# Altium PCB phunnuoc - Copy.PcbDoc
Units mil, origin at the board's own origin, x right, y up, seen from the top; angles counter-clockwise.
Board outline 4220 x 4055 mil, 2 copper layers (Top Layer, Bottom Layer); 33 components, 29 nets, 122 pads, 0 vias.
Unrouted connection lines stored in the file: 3.
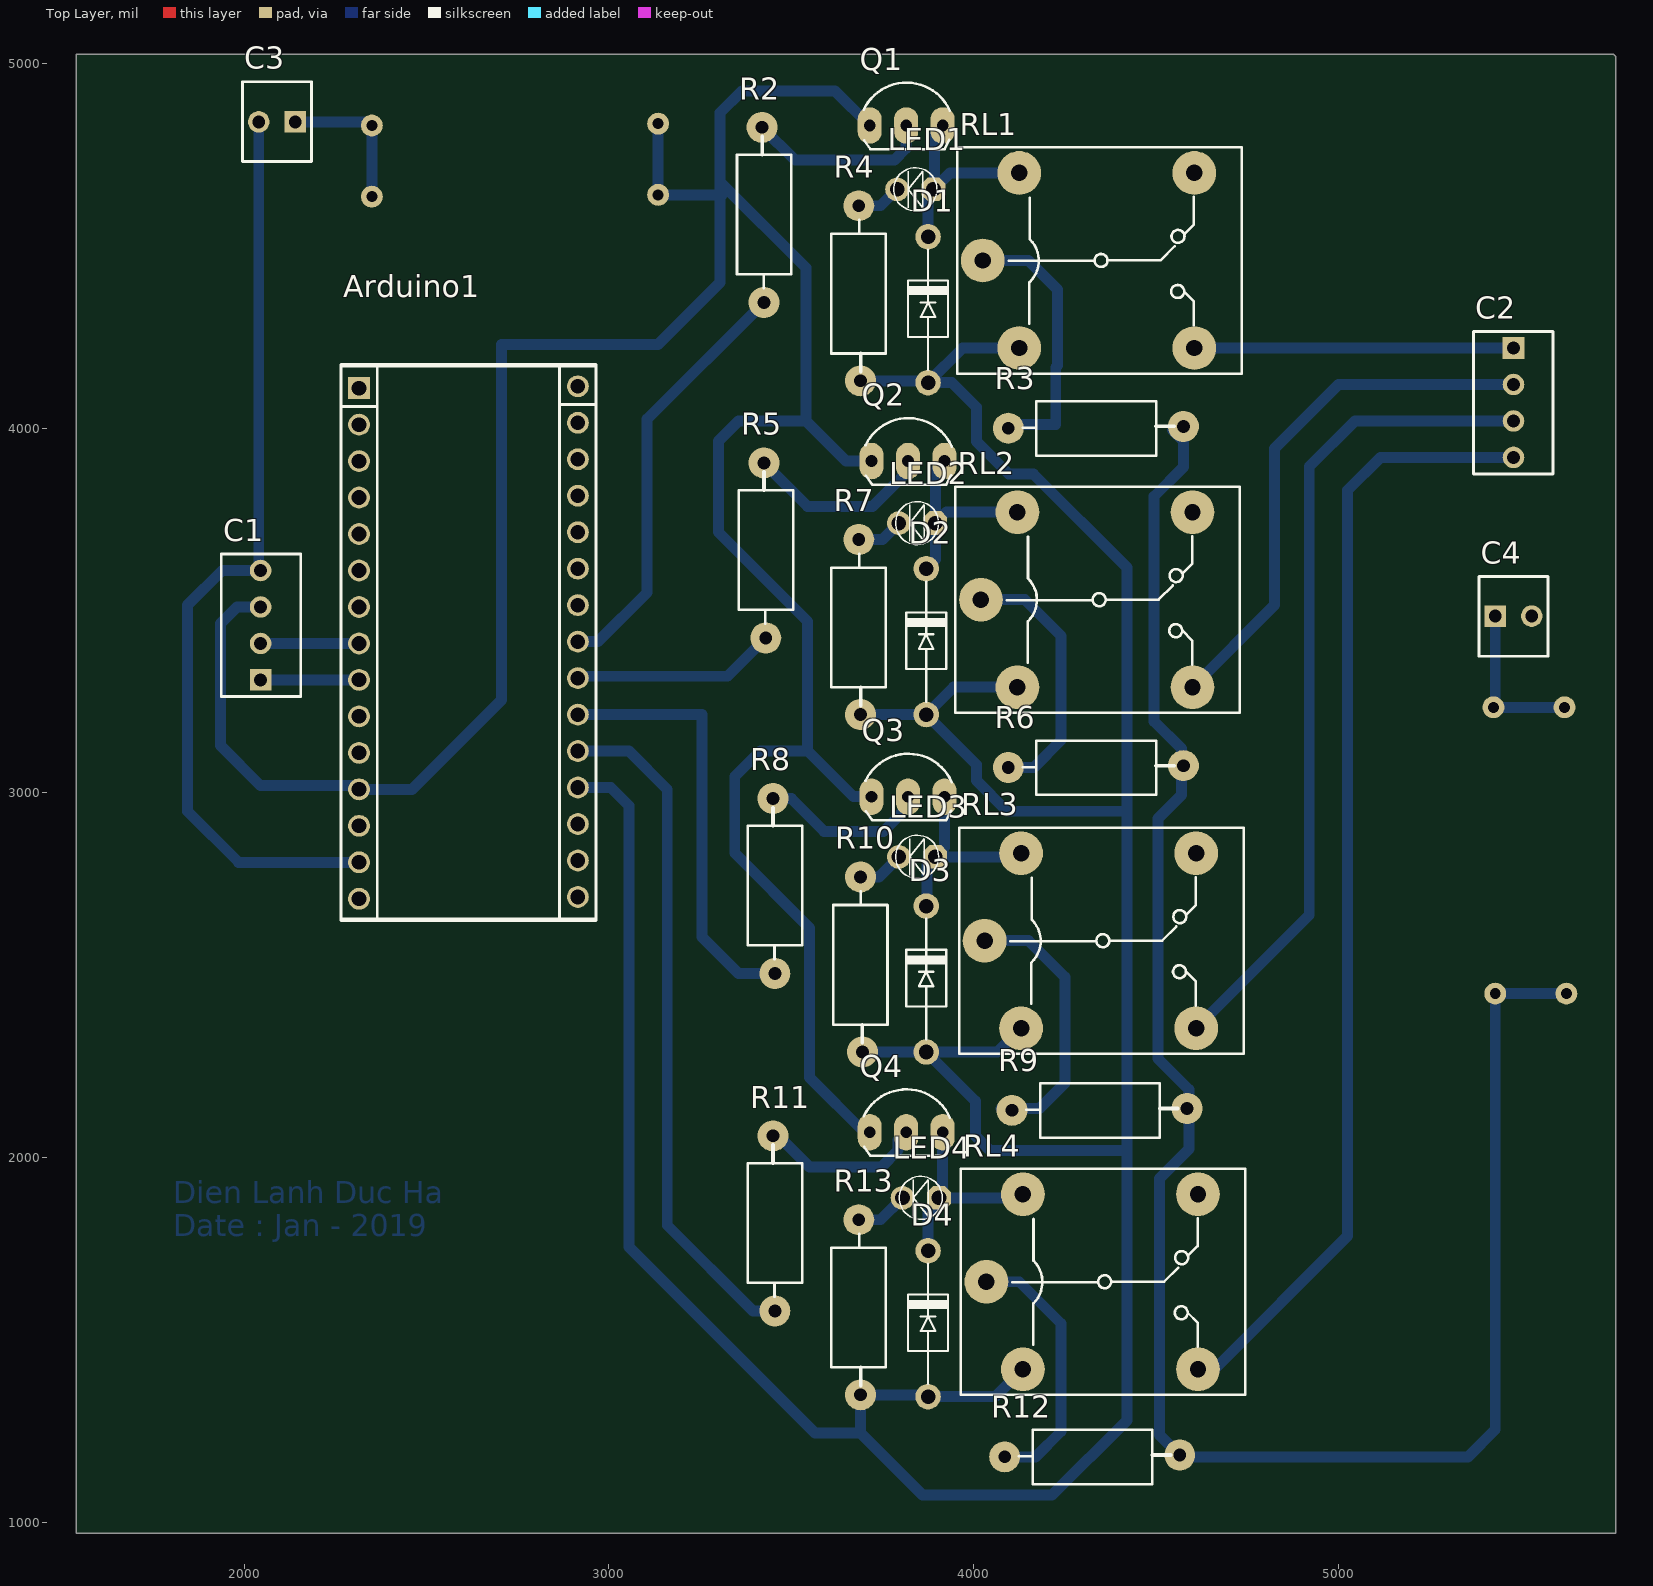
[diagram p0: Top Layer view]
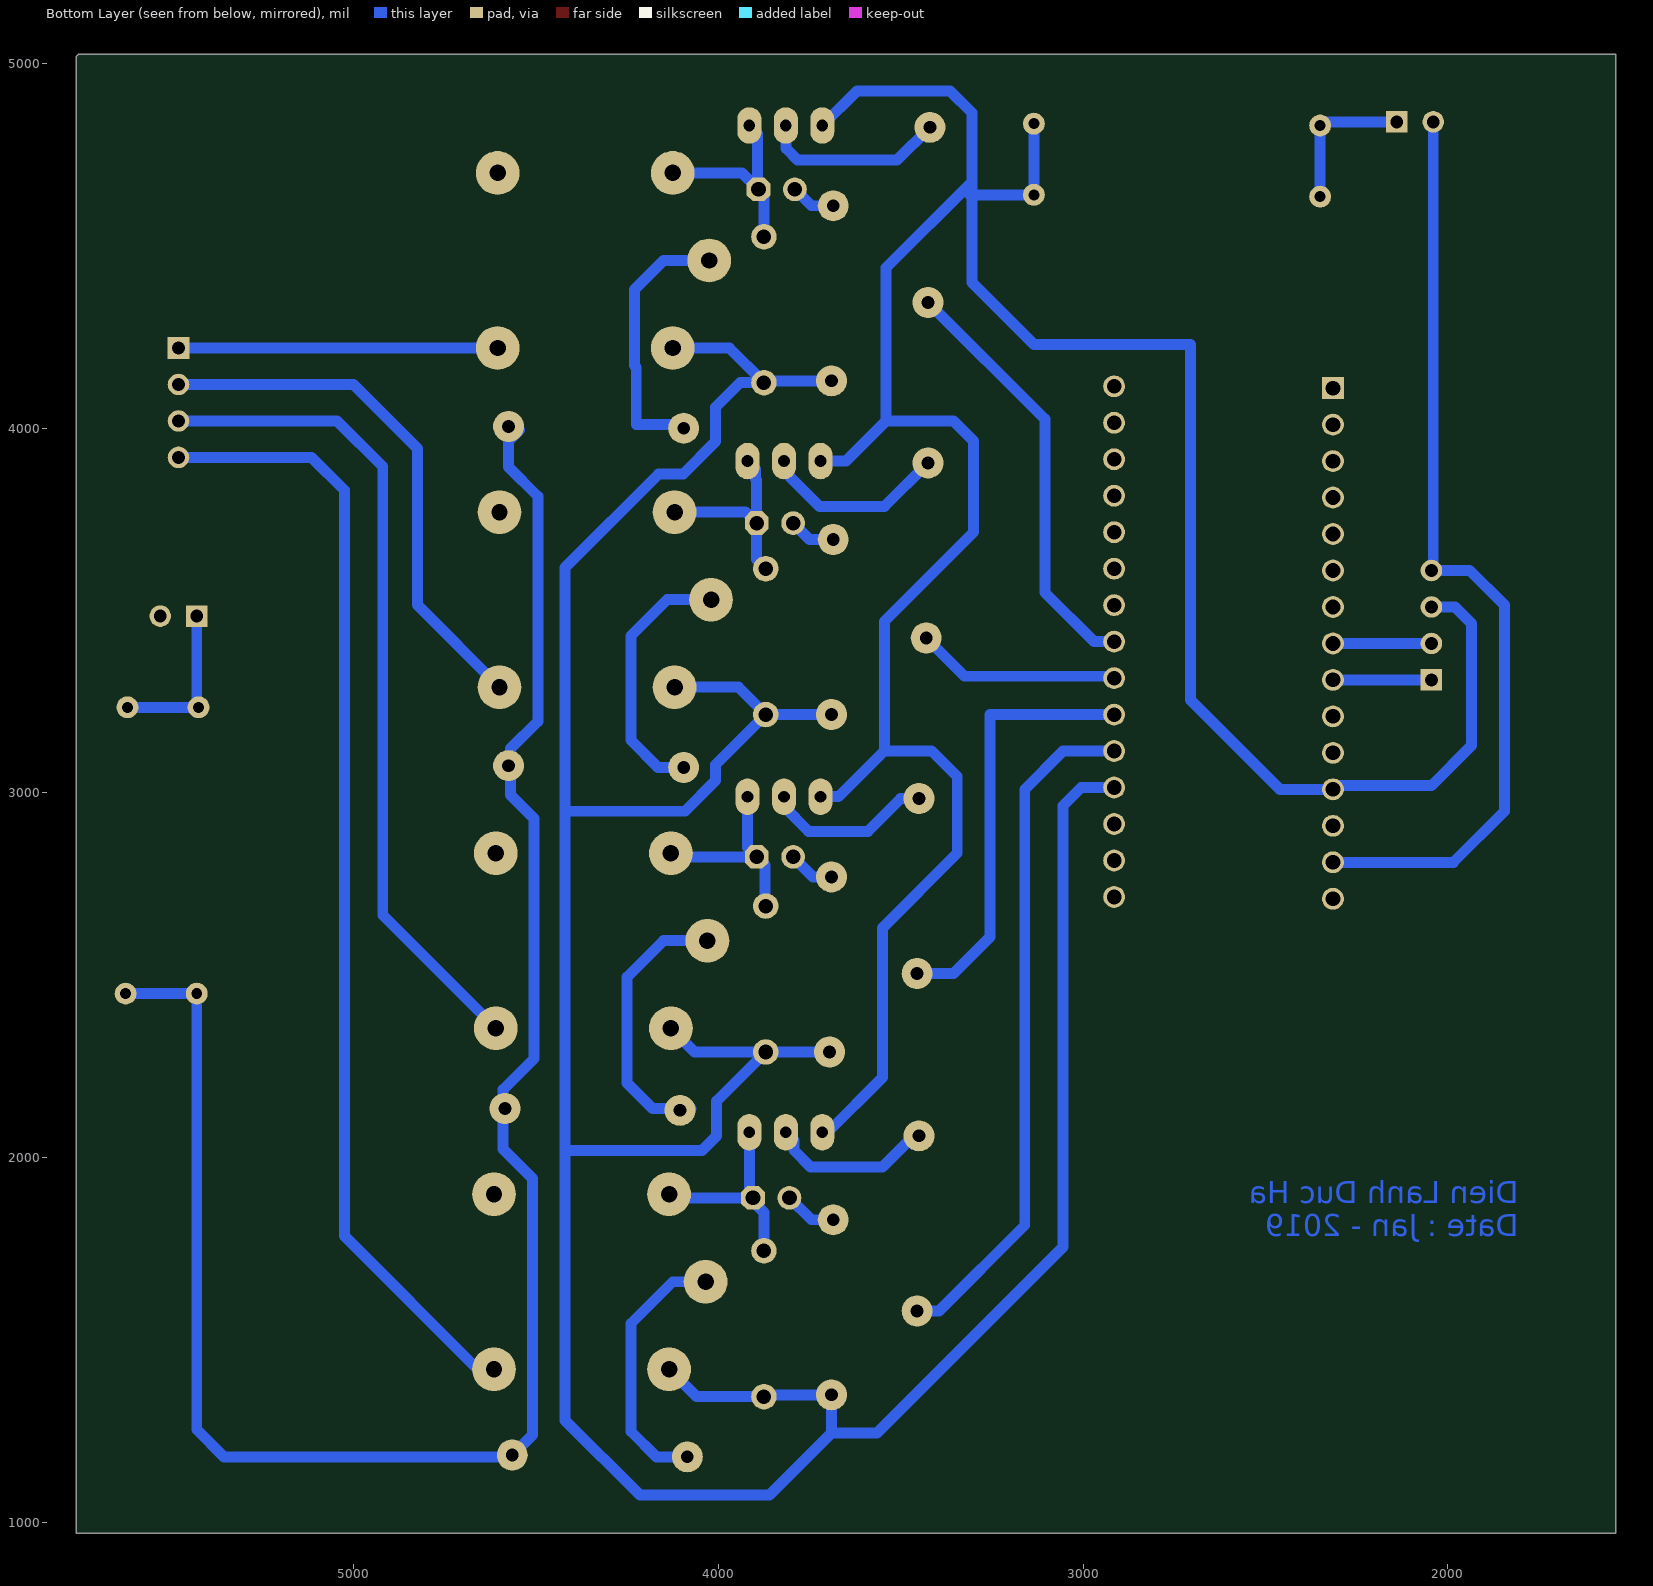
[diagram p1: Bottom Layer view, seen from below]

## Layer stack, top to bottom
Top Solder: solder mask 0.4, Solder Resist, Dk 3.5
Top Layer: signal copper 1.4
Dielectric 1: dielectric 12.6, FR-4, Dk 4.8
Bottom Layer: signal copper 1.4
Bottom Solder: solder mask 0.4, Solder Resist, Dk 3.5

## Board outline
1540,970 1540,5025 5755,5025 5760,5020 5760,970

## Design rules (kind name [scope] priority, off if disabled: settings)
Clearance [All] p1: gap=30 ignorepadtopadclearanceinfootprint=FALSE
PolygonConnect [All] p1: connectstyle=Relief reliefconductorwidth=10 reliefentries=4 polygonreliefangle="90 Angle" airgapwidth=10
RoomDefinition Sheet1 [InComponentClass('Sheet1')] p1: confinementstyle=ConfineIn formatcopy=TRUE lockcomponents=FALSE outline 7045,1065 7260,1065 7260,1405 7045,1405
RoutingLayers [All] p1: top layer_v5=FALSE bottom layer_v5=TRUE
RoutingVias [All] p1: holewidth=30 width=80 viastyle="Through Hole" minholewidth=30 minwidth=80 maxholewidth=30 maxwidth=80
SolderMaskExpansion [All] p1: expansion=4
Width [All] p1: maxlimit=30 minlimit=20 preferedwidth=30
29 further rules are at their usual default settings.

## Components (designator, comment, footprint, x,y, rotation, side; value= is the part's Value field where it differs from the comment)
Arduino1 "Arduino Nano" "Arduino Nano" 2585,3405 r180 top value="Cau 1A"
C1 "Header4" HDR4 2045,3310 r90 top
C2 "Header4" HDR4 5480,4220 r270 top
C3 "Header2" HDR2 2140,4840 r180 top
C4 "Header2" HDR2 5430,3485 r0 top
D1 "Diode" DIO-1A 3875,4125 r90 top value=1N5007
D2 "Diode" DIO-1A 3870,3215 r90 top value=1N5007
D3 "Diode" DIO-1A 3870,2290 r90 top value=1N5007
D4 "Diode" DIO-1A 3875,1345 r90 top value=1N5007
LED1 "LED" LED-3MM-YELLOW 3890,4655 r180 top value="LED 3 ly Single Colour"
LED2 "LED" LED-3MM-YELLOW 3895,3740 r180 top value="LED 3 ly Single Colour"
LED3 "LED" LED-3MM-YELLOW 3895,2825 r180 top value="LED 3 ly Single Colour"
LED4 "LED" LED-3MM-YELLOW 3905,1890 r180 top value="LED 3 ly Single Colour"
Q1 "2N3906" TO92-123 3815,4830 r0 top value=A1015
Q2 "2N3906" TO92-123 3820,3910 r0 top value=A1015
Q3 "2N3906" TO92-123 3820,2990 r0 top value=A1015
Q4 "2N3906" TO92-123 3815,2070 r0 top value=A1015
R2 "Res" RES-1/2W 3425,4605 r270 top
R3 "Res" RES-1/2W 4355,4000 r180 top
R4 "Res" RES-1/2W 3685,4350 r90 top
R5 "Res" RES-1/2W 3430,3685 r270 top
R6 "Res" RES-1/2W 4355,3070 r180 top
R7 "Res" RES-1/2W 3685,3435 r90 top
R8 "Res" RES-1/2W 3455,2765 r270 top
R9 "Res" RES-1/2W 4365,2130 r180 top
R10 "Res" RES-1/2W 3690,2510 r90 top
R11 "Res" RES-1/2W 3455,1840 r270 top
R12 "Res" RES-1/2W 4345,1180 r180 top
R13 "Res" RES-1/2W 3685,1570 r90 top
RL1 "Relay 10A/12V" "RELAY 5" 4350,4460 r0 top value="Relay SPDT, 10A, 12V"
RL2 "Relay 10A/12V" "RELAY 5" 4345,3530 r0 top value="Relay SPDT, 10A, 12V"
RL3 "Relay 10A/12V" "RELAY 5" 4355,2595 r0 top value="Relay SPDT, 10A, 12V"
RL4 "Relay 10A/12V" "RELAY 5" 4360,1660 r0 top value="Relay SPDT, 10A, 12V"

## Footprints (in the part's own frame and the unit in brackets; to place one, negate y for a bottom-side part, rotate by r counter-clockwise, add the part's x,y. Pads: shape width x height; smd on the part's side, far side on the other; paste and mask are expansions set on the pad)
"Arduino Nano" [mm]
  round 1.52 hole 1.02: 3V3(6.858,-15.367) 5V(6.858,10.033) A0(6.858,-10.287) A1(6.858,-7.747) A2(6.858,-5.207) A3(6.858,-2.667) A4(6.858,-0.127) A5(6.858,2.413) A6(6.858,4.953) A7(6.858,7.493) D2(-8.382,7.366) D3(-8.382,4.826) D4(-8.382,2.286) D5(-8.382,-0.254) D6(-8.382,-2.794) D7(-8.382,-5.334) D8(-8.382,-7.874) D9(-8.382,-10.414) D10(-8.382,-12.954) D11(-8.382,-15.494) D12(-8.382,-18.034) GND(-8.382,9.906) GND(6.858,15.113) REF(6.858,-12.827) RST(-8.382,12.446) RST(6.858,12.573) RX0(-8.382,14.986) TX1(-8.382,17.526) VIN(6.858,17.653)
  rect 1.52x1.52 hole 1.02: D13(6.858,-17.907)
  silkscreen extent -9.65,-19.55 8.13,19.18, body extent -9.65,-23.48 8.14,21.44, height 21.18
DIO-1A [mil]
  round 70 hole 40: 1(0,0) 2(400,0)
  silkscreen extent 35,-55 365,55, body extent -11,-50 411,54, height 102
HDR2 [mm] "Connector; Header; 2 Position"
  rect 1.5x1.5 hole 0.9: 1(0,0)
  round 1.5 hole 0.9: 2(2.54,0)
  silkscreen extent -1.14,-2.79 3.68,2.77, body extent -1.27,-2.92 3.81,2.88, height 11.72
HDR4 [mm] "Connector; Header; 4 Position"
  rect 1.5x1.5 hole 0.9: 1(0,0)
  round 1.5 hole 0.9: 2(2.54,0) 3(5.08,0) 4(7.62,0)
  silkscreen extent -1.14,-2.79 8.76,2.74, body extent -1.27,-2.92 8.89,2.88, height 11.72
LED-3MM-YELLOW [mil]
  oct 65x65 hole 40: 1(0,0)
  round 65 hole 40: 2(100,0)
  silkscreen extent -9,-59 109,59, body extent -27,-77 117,80, height 181
"RELAY 5" [mil] "Reley DPDT, 8 pin, 1A, W400mil, L800mil,H 300mil"
  round 120 hole 45: 1(-325,0) 2(255,240) 3(255,-240) 4(-225,-240) 5(-225,240)
  silkscreen extent -395,-310 385,310, body extent -371,-304 381,306, height 602
RES-1/2W [mil]
  round 85 hole 35: 1(-220,-5) 2(260,0)
  silkscreen extent -195,-74 221,75, body extent -230,-60 270,56, height 121
TO92-123 [mil] "TO-92"
  oval 66x100 hole 32: 1(-100,0) 2(0,0) 3(100,0)
  silkscreen extent -117,-65 120,118, body extent -109,-66 109,95, height 245

## Part data
Arduino1: "Arduino NANO", ="Cau 5A"
C1 C2: "Header IDC, 4 x 1 Pin Vertical 2.54mm Pitch (Non-Boxed, Male)", Manufacturer="Würth Elektronik eiSos GmbH", partNo=613002143121, ComponentLink1 Description=Manufacturer, ComponentLink1URL=http://www.we-online.com, ComponentLink2 Description=Datasheet, ComponentLink2URL=http://katalog.we-online.de/em/datasheet/6130xx143121.pdf, Created by="Karrer Zheng", Created Date="29 March 2013", NoPins=02
C3 C4: "Header IDC, 2 x 1 Pin Vertical 2.54mm Pitch (Non-Boxed, Male)", Manufacturer="Würth Elektronik eiSos GmbH", partNo=613002143121, ComponentLink1 Description=Manufacturer, ComponentLink1URL=http://www.we-online.com, ComponentLink2 Description=Datasheet, ComponentLink2URL=http://katalog.we-online.de/em/datasheet/6130xx143121.pdf, Created by="Karrer Zheng", Created Date="29 March 2013", NoPins=02
D1 D2 D3 D4: "Default Diode", Code - JEDEC=DO-214-AB, Published=8-Jun-2000, Publisher="Altium Limited", Revision="July-2002: Re-released for DXP Platform."
LED1 LED2 LED3 LED4: "LED Single colour Green and Red"
Q1 Q2 Q3 Q4: "PNP 600mW, ECB", =A1013
R2 R3 R4 R5 R6 R7 R8 R9 R10 R11 R12 R13: Manufacturer="Generic Components", Class=Passive, Published=08/06/2000, Publisher="Altium Hobart Technology Centre", SubClass=R
RL1 RL2 RL3 RL4: library part "Relay 5", "Relay SPDT,10A - 12VDC 5 Pin", ="Relay SPDT, 10A, 24V"

## Free pads (board coordinates)
  round 60 hole 30: 2(2350,4635) 2(3135,4640) 2(5425,3235) 2(5430,2450) 3(2350,4830) 3(3135,4835) 3(5620,3235) 3(5625,2450)

## Nets (pads, with @x,y where several pads share a name; then routed paths per layer and width w, separated by ;. In a path a pad name is that pad's centre, name@x,y a point inside that pad or via, vN(x,y) a via of type N, cw(c..) or ccw(c..) an arc to the next point about the centre after c; other vN are vias at no path point)
GND: Arduino1.GND C1.4 C3.2 D1.1 D2.1 D3.1 D4.1 R4.1 R7.1 R10.1 R13.1 RL1.4 RL2.4 RL3.4 RL4.4 | length 12202.4
  Bottom Layer w30: C3.2 2040,3615 C1.4 1940,3610 1845,3515 1845,2950 1985,2810 Arduino1.GND@2315,2810 ; Arduino1.GND@2915,3015 3005,3015 3055,2965 3055,1755 3565,1245 3690,1245 ; R7.1 D2.1 ; R4.1 3870,4130 D1.1 ; R10.1 D3.1 ; RL2.4 3945,3290 D2.1 ; RL1.4 3970,4220 D1.1 ; RL3.4 4065,2290 D3.1 ; RL4.4 4060,1345 D4.1 3870,1350 R13.1 3690,1245 ; 3690,1245 3860,1075 4215,1075 4420,1280 4420,2020 ; D3.1 4005,2155 4005,2060 4045,2020 4420,2020 ; D2.1 4007.5,3077.5 4007.5,3033.76 4091.26,2950 4415,2950 4420,2945 ; D1.1 3940,4125 4007.5,4057.5 4007.5,3963.76 4096.26,3875 4163.49,3875 4420,3618.49 4420,2945 ; 4420,2020 4420,2945
NetArduino1_A4: Arduino1.A4 C1.2 | length 270
  Bottom Layer w30: C1.2 Arduino1.A4
NetArduino1_A5: Arduino1.A5 C1.1 | length 270
  Bottom Layer w30: C1.1 Arduino1.A5
NetArduino1_D2: Arduino1.D2 R11.2 | length 1875.8
  Bottom Layer w30: Arduino1.D2 3055,3115 3160,3010 3160,1815 3395,1580 R11.2
NetArduino1_D3: Arduino1.D3 R8.2 | length 1191.4
  Bottom Layer w30: Arduino1.D3 3255,3215 3255,2605 3355,2505 R8.2
NetArduino1_D4: Arduino1.D4 R5.2 | length 560.6
  Bottom Layer w30: Arduino1.D4 2920,3320 3325,3320 R5.2
NetArduino1_D5: Arduino1.D5 R2.2 | length 1173.5
  Bottom Layer w30: Arduino1.D5 2970,3415 3105,3550 3105,4025 R2.2
NetC2_1: C2.1 RL1.3 | length 875
  Bottom Layer w30: RL1.3 C2.1
NetC2_2: C2.2 RL2.3 | length 1475.7
  Bottom Layer w30: RL2.3 4825,3515 4825,3945 5000,4120 C2.2
NetC2_3: C2.3 RL3.3 | length 2280.2
  Bottom Layer w30: RL3.3 4920,2665 4920,3895 5045,4020 C2.3
NetC2_4: C2.4 RL4.3 | length 3098.5
  Bottom Layer w30: RL4.3 4660,1420 5025,1785 5025,3830 5115,3920 C2.4
NetC4_1: C4.1 R3.1 R6.1 R9.1 R12.1 | length 3441.8
  Bottom Layer w30: R3.1@4545,3995 4575,3965 4575,3893.49 4495,3813.49 4495,3196.51 4570,3121.51 4570,2995 4505,2930 4505,2271.51 4590,2186.51 4590,2023.49 4510,1943.49 4510,1240 R12.1 ; C4.1 5430,3240 5435,3235 5620,3235
NetD1_2: D1.2 LED1.1 Q1.3 RL1.5 | length 571
  Bottom Layer w30: D1.2 3875,4640 LED1.1 LED1.1@3893,4658 ; Q1.3 3893,4808 LED1.1@3893,4658 ; RL1.5 3935,4700 LED1.1@3893,4658
NetD2_2: D2.2 LED2.1 Q2.3 RL2.5 | length 553.1
  Bottom Layer w30: D2.2 3895,3640 LED2.1 ; Q2.3 3898,3888 3898,3860.69 3895,3857.69 LED2.1 ; RL2.5 3925,3770 LED2.1
NetD3_2: D3.2 LED3.1 Q3.3 RL3.5 | length 559.9
  Bottom Layer w30: D3.2 3872.5,2692.5 3872.5,2802.5 LED3.1 ; Q3.3 3920,2850 LED3.1 ; RL3.5 4120,2825 LED3.1
NetD4_2: D4.2 LED4.1 Q4.3 RL4.5 | length 575.7
  Bottom Layer w30: D4.2 3875,1850.4 3905,1880.4 LED4.1 ; Q4.3 3915,1900 LED4.1 ; RL4.5 4125,1890 LED4.1
NetLED1_2: LED1.2 R4.2 | length 123.6
  Bottom Layer w30: R4.2 3745,4610 LED1.2
NetLED2_2: LED2.2 R7.2 | length 128.6
  Bottom Layer w30: R7.2 3750,3695 LED2.2
NetLED3_2: LED3.2 R10.2 | length 127.8
  Bottom Layer w30: R10.2 3740,2770 LED3.2
NetLED4_2: LED4.2 R13.2 | length 144.9
  Bottom Layer w30: R13.2 3745,1830 LED4.2
NetQ1_2: Q1.2 R2.1 | length 508.2
  Bottom Layer w30: R2.1 3510,4735 3782.5,4735 3815,4767.5 Q1.2
NetQ2_2: Q2.2 R5.1 | length 512.5
  Bottom Layer w30: R5.1 3545,3785 3722.31,3785 3820,3882.69 Q2.2
NetQ3_2: Q3.2 R8.1 | length 462.6
  Bottom Layer w30: R8.1 3500,2985 3590,2895 3752.31,2895 3820,2962.69 Q3.2
NetQ4_2: Q4.2 R11.1 | length 455.6
  Bottom Layer w30: R11.1 3465,2060 3550,1975 3747.31,1975 3793,2020.69 3793,2048 Q4.2
NetR3_2: R3.2 RL1.1 | length 744.4
  Bottom Layer w30: RL1.1 4150,4460 4230,4380 4230,4171.51 4225,4166.51 4225,4010 4105,4010 R3.2
NetR6_2: R6.2 RL2.1 | length 737.5
  Bottom Layer w30: RL2.1 4140,3530 4240,3430 4240,3145 4165,3070 R6.2 R6.2@4080,3070
NetR9_2: R9.2 RL3.1 | length 755.4
  Bottom Layer w30: RL3.1 4150,2595 4250,2495 4250,2205 4180,2135 R9.2@4075,2135
NetR12_2: R12.2 RL4.1 | length 731.6
  Bottom Layer w30: RL4.1 4125,1660 4240,1545 4240,1250 4170,1180 R12.2
VCC: Arduino1.5V C1.3 C3.1 Q1.1 Q2.1 Q3.1 Q4.1 | length 7954.4
  Bottom Layer w30: C1.3 1980,3510 1935,3465 1935,3130 2045,3020 2305,3020 Arduino1.5V 2460,3010 2705,3255 2705,4230 3135,4230 3305,4400 3305,4675 ; C3.1 2340,4840 ; Q4.1 3700,2070 3550,2220 3550,2630 3345,2835 3345,3045 3415,3115 3545,3115 ; Q1.1 3620,4925 3365,4925 3305,4865 3305,4675 ; Q3.1 3670,2990 3545,3115 ; Q2.1 3650,3910 3540,4020 ; 3305,4675 3540,4440 3540,4020 ; 3540,4020 3355,4020 3300,3965 3300,3715 3545,3470 3545,3115
pads on no net: Arduino1.3V3 Arduino1.A0 Arduino1.A1 Arduino1.A2 Arduino1.A3 Arduino1.A6 Arduino1.A7 Arduino1.D6 Arduino1.D7 Arduino1.D8 Arduino1.D9 Arduino1.D10 Arduino1.D11 Arduino1.D12 Arduino1.D13 Arduino1.REF Arduino1.RST Arduino1.RX0 Arduino1.TX1 Arduino1.VIN C4.2 RL1.2 RL2.2 RL3.2 RL4.2
copper on no net: | length 2877.9
  Bottom Layer w30: 2350,4635 2350,4830 ; 3135,4835 3135,4640 3310,4640 ; 4570,1180 5355,1180 5430,1255 5430,2450 5625,2450 ; 4605,4700 4627.5,4722.5

## Other copper
Bottom Layer:
  text "Dien Lanh Duc Ha / Date : Jan - 2019" at 1805,1785.01 h60